# Altium PCB Mainboard.PcbDoc (part 3 of 4)
Units mm, origin at the board's own origin, x right, y up, seen from the top; angles counter-clockwise.
Board outline 90 x 175 mm, 2 copper layers (L1_Top, L14_Bot), stack 1.67 mm thick; 329 components, 192 nets, 950 pads, 1091 vias.
Unrouted connection lines stored in the file: 3.
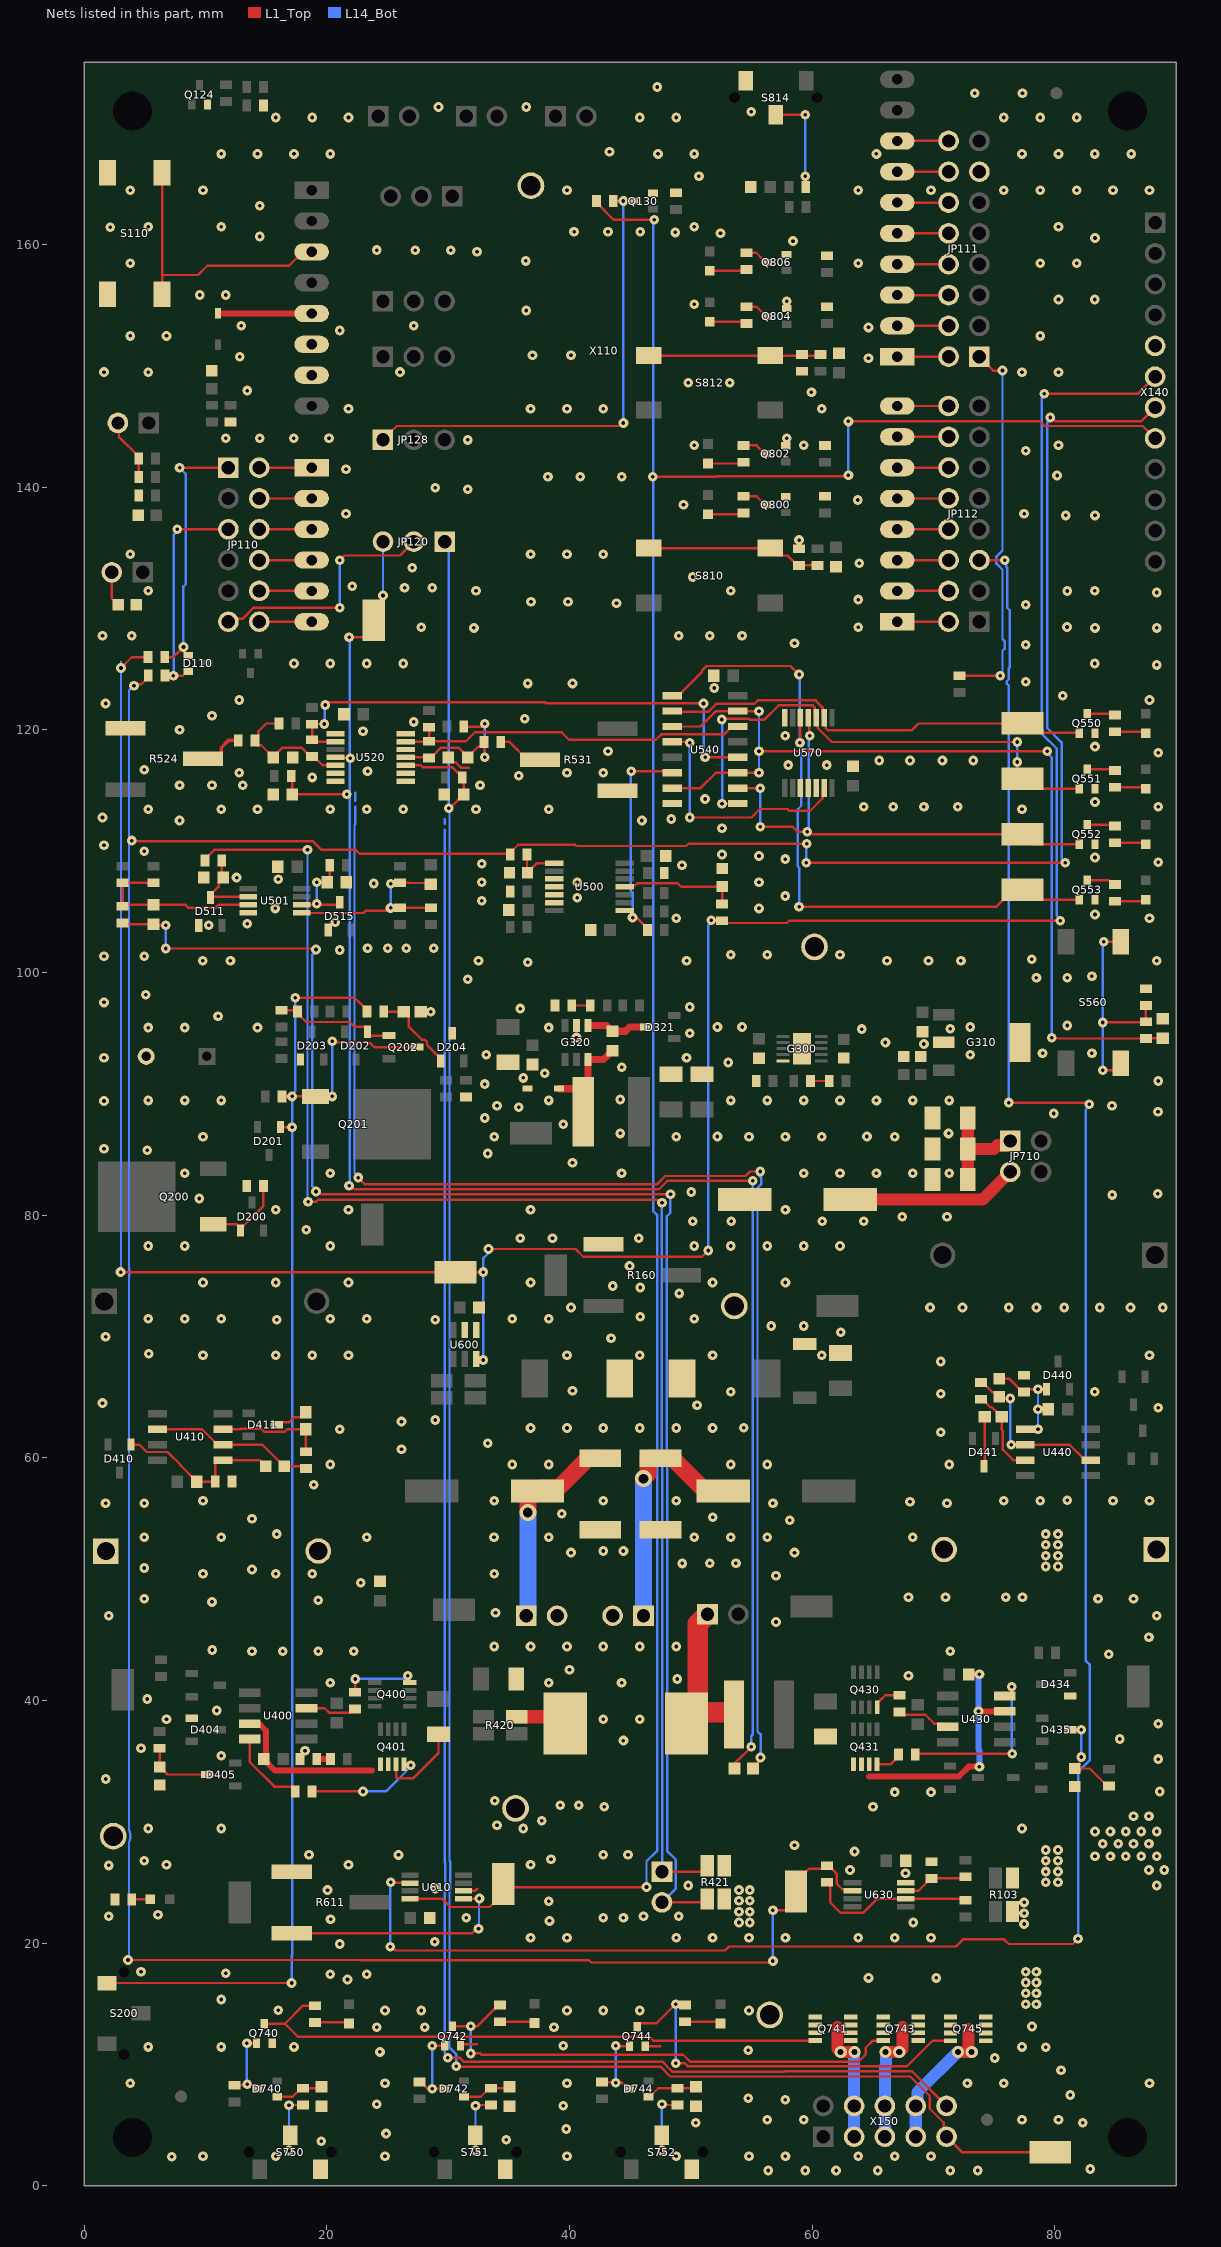
[diagram p3: the nets of this part, all layers, seen from the top]

## Via types
v1: diameter 0.8, hole 0.3, L1_Top to L14_Bot, tented both sides, 1083 vias
v2: diameter 1, hole 0.5, L1_Top to L14_Bot, tented both sides, 6 vias
v3: diameter 1.4, hole 0.8, L1_Top to L14_Bot, tented both sides, 2 vias

## Nets (pads, with @x,y where several pads share a name; then routed paths per layer and width w, separated by ;. In a path a pad name is that pad's centre, name@x,y a point inside that pad or via, vN(x,y) a via of type N, cw(c..) or ccw(c..) an arc to the next point about the centre after c; other vN are vias at no path point) (continued)
Fault_Reset: C562.1 R562.2 U540.3 U540.7 U540.11 U540.15 | length 77.1
  L1_Top w0.2: U540.7@48.481,115.195 50.806,115.195 52.076,116.465 U540.11@53.881,116.465 55.62,116.465 v1(55.626,116.459) ; U540.3@48.481,120.275 50.806,120.275 52.076,121.545 U540.15@53.881,121.545 ; U540.15@53.881,121.539 v1(55.626,121.539) ; v1(55.626,118.237) v1(79.375,118.237) ; v1(79.756,94.615) 79.811,94.56 R562.2@87.503,94.56 87.52,94.577 C562.1@88.9,94.577
  L14_Bot w0.2: v1(55.626,116.459) v1(55.626,118.237) v1(55.626,121.539) ; v1(79.375,118.237) 79.375,118.075 79.756,117.694 v1(79.756,94.615)
Flag_Overcurr: Q550.1 TP540.1 U540.2 U570.2 | length 36.4
  L1_Top w0.2: U540.2@48.481,121.545 48.552,121.474 51.439,121.474 52.11,122.145 55.242,122.145 55.526,122.429 60.289,122.429 60.865,121.853 60.865,121.129 U570.2@60.99,121.004 61.115,120.879 61.115,120.155 61.291,119.979 68.229,119.979 68.773,120.523 TP540.1@77.337,120.523 78.099,119.761 81.983,119.761 Q550.1@82.021,119.723
Flag_Overtemp_Ext: Q553.1 TP543.1 U540.1 U570.5 | length 57.3
  L1_Top w0.2: U540.1@48.481,122.815 48.981,122.815 50.927,124.761 50.927,124.881 51.306,125.26 58.228,125.26 v1(58.928,124.56) ; v1(58.928,105.41) 75.14,105.41 76.537,106.807 TP543.1@77.337,106.807 78.137,106.007 Q553.1@82.021,106.007 ; v1(58.995,118.937) 59.018,118.959 59.018,120.982 U570.5@59.04,121.004
  L14_Bot w0.2: v1(58.928,105.41) 58.928,108.631 58.811,108.747 58.811,113.447 59.111,113.746 59.111,118.659 58.995,118.775 v1(58.995,118.937) 58.995,124.493 v1(58.928,124.56)
Flag_Overtemp_Int: Q552.1 TP542.1 U540.10 U570.4 | length 41.5
  L1_Top w0.2: U540.10@53.881,115.195 53.887,115.189 v1(55.715,115.189) ; v1(55.715,112.014) 58.395,112.014 58.802,111.607 v1(59.602,111.607) 59.765,111.607 59.993,111.379 TP542.1@77.337,111.379 78.137,110.579 Q552.1@82.021,110.579 ; U570.4@59.69,121.004 59.754,120.941 59.754,119.57 v1(59.817,119.507)
  L14_Bot w0.2: v1(55.715,112.014) v1(55.715,115.189) ; v1(59.602,111.607) 59.71,111.714 59.71,119.4 v1(59.817,119.507)
Flag_Overvolt: Q551.1 TP541.1 U540.9 U570.3 | length 43.6
  L1_Top w0.2: v1(52.545,120.845) 52.604,120.904 54.776,120.904 54.841,120.839 56.069,120.839 57.259,122.029 60.039,122.029 60.215,121.853 60.215,121.129 U570.3@60.34,121.004 60.465,120.879 60.465,120.155 61.622,118.998 v1(76.9,118.998) ; v1(52.578,113.919) 52.584,113.925 U540.9@53.881,113.925 ; v1(76.9,117.348) 76.9,116.518 76.835,116.453 TP541.1@77.337,115.951 78.137,115.151 Q551.1@82.021,115.151
  L14_Bot w0.2: v1(52.578,113.919) v1@52.578,120.845 ; v1(76.9,117.348) 76.835,117.413 76.9,117.478 v1(76.9,118.998)
GND: C204.1 C210.2 C213.1 C220.1 C221.1 C300.1 C301.1 C310.1 C311.1 C312.1 C320.1 C321.1 C323.1 C324.1 C405.1 C435.1 C500.2 C501.2 C503.1 C505.1 C506.1 C507.1 C511.1 C515.1 C520.2 C523.1 C526.1 C530.1 C533.1 C540.1 C562.2 C570.2 C600.1 C610.1 C630.1 C700.1 C710.1 C711.1 C712.1 C715.2 C722.1 C723.1 C750.1 C751.1 C752.1 C811.1 C813.1 C814.1 D203.1 D204.3 D211.2 D320.2 D404.1 D434.1 D511.1 D515.1 D730.2 D731.2 G300.5 G300.11 G310.2 G310.4 G320.2 JP111.13 JP212.2 JP701.2 Q124.2 Q130.2 Q550.2 Q551.2 Q552.2 Q553.2 Q740.2 Q742.2 Q744.2 Q800.2 Q802.2 Q804.2 Q806.2 R103.2 R122.1 R130.1 R160.1 R200.1 R207.1 R210.1 R212.1 R221.1 R303.1 R322.1 R403.2 R410.1 R421.2 R440.1 R503.2 R505.1 R524.1 R531.1 R561.1 R611.1 R632.1 R701.1 R722.1 R800.1 R802.1 R804.1 R806.1 R810.1 R812.1 S110.1 S110.2 S750.3 S751.3 S752.3 S814.3 TP100.1 TP101.1 TP102.1 TP103.1 TP104.1 TP105.1 U500.10 U500.11 U500.12 U500.13 U501.4 U520.1 U520.6 U520.7 U520.8 U520.9 U520.12 U520.14 U540.8 U570.7 U570.10 U570.11 U570.12 U600.1 U600.2 U610.6 U630.4 W100.2 W500.2 X101.1 X101.2 X110.6A X110.7A X140.5 | length 7.8
  L1_Top w0.2: C204.1@27.751,96.774 v1(28.575,96.774) ; C530.1@30.023,117.729 30.023,117.704 30.398,117.329 30.624,117.329 31.08,116.873 31.694,116.873 ; Q742.2@31.018,11.557 31.145,11.684 32.385,11.684 ; U610.6@31.283,24.313 32.219,24.313 32.417,24.511 ; Q744.2@46.243,11.519 47.498,11.519
  L14_Bot w0.2: W500.2@22.352,114.164 22.352,114.808 ; W100.2@29.718,112.259 29.718,112.649
  other v1: 56.388,1.27 59.436,1.27 61.976,1.27 65.405,1.27 71.374,1.27 73.66,1.27 82.931,1.397 7.239,2.413 9.8,2.46 15.8,2.46 24.8,2.46 39.8,2.46 48.8,2.46 54.8,2.46 57.8,2.46 63.8,2.46 66.8,2.46 69.8,2.46 19.558,3.683 34.798,3.81 24.892,4.318 39.751,4.699 50.419,5.207 82.296,5.207 56.3,5.46 59.3,5.46 77.3,5.46 80.3,5.46 39.497,6.604 24.13,6.731 57.785,7.112 54.737,7.239 81.28,7.493 3.8,8.46 24.8,8.46 39.8,8.46 72.8,8.46 75.8,8.46 87.8,8.46 80.518,9.525 75.057,10.541 24.384,11.049 54.737,11.176 79.248,11.43 5.3,11.46 11.3,11.46 17.3,11.46 77.3,11.46 39.497,11.557 24.13,13.081 28.067,13.081 38.735,13.081 78.124,13.142 24.8,14.46 27.8,14.46 39.8,14.46 42.8,14.46 45.8,14.46 54.8,14.46 16.002,14.478 11.303,15.367 21.717,17.018 64.643,17.145 70.231,17.145 20.3,17.46 23.3,17.46 11.684,17.526 4.699,17.653 21.082,19.939 28.905,20.117 36.8,20.46 39.8,20.46 48.8,20.46 51.8,20.46 54.8,20.46 57.8,20.46 63.8,20.46 66.8,20.46 69.8,20.46 77.47,21.59 53.975,21.717 54.864,21.717 68.326,21.717 38.354,21.844 20.32,21.971 31.496,22.098 42.799,22.098 44.45,22.098 2.032,22.225 46.101,22.225 49.022,22.225 6.096,22.352 77.47,22.479 53.975,22.606 54.864,22.606 77.47,23.368 38.3,23.46 53.975,23.495 54.864,23.495 20.066,24.384 53.975,24.384 54.864,24.384 28.956,24.511 49.784,24.765 88.392,24.765 67.691,25.781 63.119,26.035 87.757,26.035 89.027,26.035 2.032,26.416 6.8,26.46 21.8,26.46 36.8,26.46 4.953,26.797 38.481,26.924 83.312,27.178 84.582,27.178 85.852,27.178 87.122,27.178 88.392,27.178 25.912,27.282 18.542,27.305 42.799,27.305 44.831,27.305 63.5,27.559 58.547,28.067 83.947,28.194 85.217,28.194 86.487,28.194 87.757,28.194 83.312,29.21 84.582,29.21 85.852,29.21 87.122,29.21 88.392,29.21 5.3,29.46 11.3,29.46 36.195,29.464 77.3,29.46 34.036,29.718 37.719,30.099 86.487,30.48 87.757,30.48 42.867,31.245 65.024,31.242 39.243,31.369 40.767,31.369 33.847,31.75 66.8,32.46 69.8,32.46 88.646,32.512 1.788,33.543 88.519,35.179 11.3,35.46 18.212,35.87 4.699,36.068 44.45,36.703 85.344,36.83 88.519,38.1 6.8,38.46 42.8,38.46 45.8,38.46 10.946,39.182 5.207,40.132 20.3,41.46 38.3,41.46 44.3,41.46 48.895,41.783 67.945,42.037 40.005,42.545 84.455,43.815 13.843,44.069 16.383,44.069 19.304,44.069 22.225,44.069 71.374,44.069 10.563,44.166 33.8,44.46 36.8,44.46 39.8,44.46 42.8,44.46 45.8,44.46 48.8,44.46 87.757,45.212 57.023,46.482 2.032,46.99 88.392,46.99 33.909,47.244 10.541,48.133 19.304,48.26 4.953,48.387 83.566,48.387 86.487,48.387 67.945,48.514 70.993,48.514 75.946,48.514 77.343,48.514 22.796,49.716 57.023,50.292 9.8,50.46 15.8,50.46 18.8,50.46 33.8,50.46 13.843,50.8 4.953,50.927 49.307,51.305 51.562,51.308 53.721,51.308 40.132,52.197 58.547,52.197 42.799,52.324 44.45,52.324 4.953,53.467 11.3,53.46 23.3,53.46 33.782,53.467 38.3,53.46 50.3,53.46 53.3,53.46 56.3,53.46 68.3,53.46 15.875,53.721 58.166,54.864 13.843,54.991 51.816,55.118 39.359,55.401 1.778,56.261 4.953,56.261 56.769,56.261 71.12,56.261 68.072,56.388 9.8,56.46 33.8,56.46 42.8,56.46 48.8,56.46 75.8,56.46 78.8,56.46 84.8,56.46 87.8,56.46 81.026,56.515 18.923,57.785 20.3,59.46 35.3,59.46 38.3,59.46 53.3,59.46 56.3,59.46 71.3,59.46 26.162,60.706 33.274,61.214 70.612,62.103 21.082,62.357 36.8,62.46 39.8,62.46 42.8,62.46 45.8,62.46 48.8,62.46 51.8,62.46 54.356,62.484 26.162,62.992 28.956,63.119 88.519,64.135 50.521,64.342 1.524,64.516 70.612,65.278 53.3,65.46 83.3,65.46 40.259,65.532 70.612,67.945 9.8,68.46 15.8,68.46 18.8,68.46 21.8,68.46 39.8,68.46 45.8,68.46 51.8,68.46 60.8,68.46 87.8,68.46 5.334,68.58 43.434,69.85 1.778,69.977 62.357,70.358 56.642,70.866 59.309,70.866 15.875,71.374 28.956,71.374 5.3,71.46 8.3,71.46 11.3,71.46 20.3,71.46 23.3,71.46 35.3,71.46 38.3,71.46 50.3,71.46 45.847,71.628 40.132,72.39 69.723,72.39 72.39,72.39 76.2,72.39 78.486,72.39 80.772,72.39 83.693,72.39 86.233,72.39 88.9,72.39 49.054,73.555 45.847,74.041 43.561,74.168 9.8,74.46 15.8,74.46 21.8,74.46 36.8,74.46 51.8,74.46 57.8,74.46 44.958,75.819 5.3,77.46 8.3,77.46 20.3,77.46 50.3,77.46 53.3,77.46 56.3,77.46 59.3,77.46 62.3,77.46 35.941,78.105 38.608,78.105 45.72,78.105 18.315,78.809 50.165,79.502 53.34,79.502 60.833,79.502 64.262,79.502 67.437,79.883 71.12,79.883 15.8,80.46 21.8,80.46 36.8,80.46 57.8,80.46 9.505,81.373 84.727,81.672 88.474,81.767 50.038,81.915 8.3,83.46 20.3,83.46 44.3,83.46 59.3,83.46 62.3,83.46 65.3,83.46 68.3,83.46 71.3,83.46 40.259,84.328 33.274,85.09 5.207,85.344 1.651,85.471 9.8,86.46 33.8,86.46 48.8,86.46 54.8,86.46 57.8,86.46 60.8,86.46 66.8,86.46 52.197,86.487 64.516,86.487 44.196,86.741 71.247,86.741 39.497,87.503 33.02,88.011 79.909,88.379 88.506,88.537 35.814,88.9 34.036,89.027 84.709,89.027 1.651,89.408 5.3,89.46 8.3,89.46 11.3,89.46 38.3,89.46 53.3,89.46 56.3,89.46 59.3,89.46 62.3,89.46 65.3,89.46 68.3,89.46 71.3,89.46 44.196,89.535 33.02,90.805 88.519,91.059 36.195,91.313 37.973,91.694 44.323,92.202 53.086,92.583 1.651,92.964 49.657,92.964 33.147,93.218 73.025,93.218 78.994,93.345 83.058,93.345 69.215,94.107 66.04,94.234 40.579,94.637 49.911,94.996 64.102,95.339 71.374,95.377 5.3,95.46 8.3,95.46 14.3,95.46 38.3,95.46 52.197,95.504 54.229,95.504 73.025,95.504 81.026,95.631 11.049,96.393 35.941,97.028 49.911,97.155 1.651,97.536 5.08,98.171 31.623,99.441 78.486,99.568 81.026,99.568 83.058,99.695 36.576,100.838 9.779,100.965 12.065,100.965 32.512,100.965 49.657,100.965 66.167,100.965 69.596,100.965 72.263,100.965 88.392,100.965 78.105,101.092 1.651,101.346 4.953,101.346 53.3,101.46 56.3,101.46 62.3,101.46 21.082,101.854 23.368,102.007 25.019,102.007 26.543,102.007 28.829,102.007 10.287,103.886 13.462,104.013 20.701,104.14 48.8,104.46 87.8,104.46 83.312,104.775 15.748,105.283 55.626,105.283 32.766,105.918 40.64,106.172 57.785,106.299 23.876,107.34 32.766,107.442 40.64,107.442 55.626,107.442 16.002,107.696 12.573,107.823 49.276,108.839 32.766,108.966 88.519,109.093 57.785,109.347 83.312,109.474 55.626,109.601 52.578,109.728 4.953,109.982 1.651,110.49 52.578,111.887 7.874,112.522 45.974,112.522 48.387,112.649 1.524,112.776 5.3,113.46 11.3,113.46 14.3,113.46 20.3,113.46 23.3,113.46 26.3,113.46 32.3,113.46 38.3,113.46 77.3,113.46 64.262,113.665 66.675,113.665 69.215,113.665 72.009,113.665 88.519,113.665 83.312,114.046 51.181,114.3 7.874,115.443 10.541,115.443 13.081,115.443 32.639,115.443 18.796,116.078 35.814,116.205 12.8,116.46 39.8,116.46 42.8,116.46 23.368,116.586 4.953,116.713 58.039,117.094 61.214,117.094 65.532,117.475 68.072,117.475 70.739,117.475 73.279,117.475 88.519,118.11 43.18,118.237 83.312,118.618 57.785,119.507 22.987,119.888 7.874,120.015 27.178,120.65 36.322,120.904 10.541,121.158 1.778,122.174 12.8,122.46 87.8,122.46 80.645,122.809 51.943,123.444 36.576,123.825 40.259,123.825 77.597,123.952 88.392,125.349 17.3,125.46 20.3,125.46 23.3,125.46 26.3,125.46 83.3,125.46 77.597,127 58.547,127.127 1.524,127.762 3.937,127.762 49.022,127.762 51.562,127.762 54.229,127.762 32.131,128.397 83.312,128.397 88.392,128.397 27.8,128.46 63.8,128.46 81.004,128.471 77.597,130.302 43.878,130.434 36.83,130.556 39.878,130.556 63.808,130.731 88.392,131.318 81.026,131.445 5.3,131.46 32.3,131.46 53.3,131.46 83.3,131.46 26.416,131.699 28.702,131.699 22.098,131.826 50.165,132.588 27.051,133.35 63.881,133.731 3.8,134.46 36.8,134.46 39.8,134.46 42.8,134.46 58.928,135.636 80.899,137.668 83.312,137.668 21.59,137.795 77.47,137.795 49.403,138.557 63.754,138.938 31.623,139.827 28.956,139.954 38.227,140.843 40.894,140.843 44.323,140.843 80.189,140.958 21.59,141.478 77.597,143.002 50.3,143.46 59.3,143.46 80.3,143.46 31.623,143.891 11.684,144.018 14.478,144.018 17.272,144.018 20.193,144.018 57.912,144.018 21.8,146.46 36.8,146.46 39.8,146.46 42.8,146.46 60.8,146.46 59.944,147.828 13.462,147.955 49.784,148.59 53.213,148.59 5.3,149.46 77.3,149.46 80.3,149.46 1.651,149.479 26.035,149.479 64.643,150.622 12.827,150.749 36.957,150.876 40.132,150.876 3.8,152.46 6.8,152.46 78.8,152.46 21.082,152.908 64.643,153.162 12.954,153.289 27.178,153.289 36.449,154.559 50.292,155.067 57.912,155.321 80.3,155.46 83.3,155.46 9.525,155.829 11.684,155.829 3.8,158.46 63.8,158.46 78.8,158.46 81.8,158.46 36.398,158.642 32.385,159.385 27.305,159.512 30.226,159.512 24.129,159.533 58.42,160.274 83.312,160.528 14.478,160.655 52.451,160.909 48.711,160.99 40.386,161.036 43.18,161.036 45.847,161.036 2.159,161.417 5.3,161.46 11.3,161.46 50.3,161.46 80.3,161.46 14.478,163.195 3.8,164.46 9.8,164.46 39.8,164.46 63.8,164.46 69.8,164.46 75.8,164.46 78.8,164.46 81.8,164.46 84.8,164.46 87.8,164.46 50.673,165.608 11.3,167.46 14.3,167.46 17.3,167.46 20.3,167.46 47.3,167.46 50.3,167.46 65.3,167.46 77.3,167.46 80.3,167.46 83.3,167.46 86.3,167.46 43.307,167.64 15.8,170.46 18.8,170.46 21.8,170.46 45.8,170.46 48.8,170.46 75.8,170.46 78.8,170.46 81.8,170.46 54.991,170.942 29.21,171.323 36.449,171.323 73.406,172.466 77.343,172.466 47.244,172.974
H-Bridge_neg: C400.1 C404.1 C430.1 C434.1 Q401.1 Q401.2 Q401.3 Q431.1 Q431.2 Q431.3 R421.1 U400.3 U430.3 | length 40.3
  L1_Top w0.2: Q401.3@25.719,34.745 25.719,33.707 25.836,33.59 27.113,33.59 29.21,35.687 C404.1@29.21,37.232
  L1_Top w0.5: U400.3@13.766,37.99 14.522,37.99 14.996,37.516 14.996,35.36 C400.1@14.815,35.179 14.815,35.154 15.74,34.229 23.749,34.229 ; 64.68,33.745 72.099,33.745 72.909,34.555 v1(73.787,34.555) ; C430.1@72.898,42.164 v1(73.787,42.164) ; v1(73.712,39.116) U430.3@75.873,39.116
  L14_Bot w0.5: v1(73.787,34.555) 73.787,35.88 73.712,35.955 73.712,42.008 73.787,42.083 v1(73.787,42.164)
In_555_Boost: C442.2 R441.2 U440.2 U440.6 | length 13.9
  L1_Top w0.2: R441.2@73.908,66.222 74.043,66.222 74.854,65.411 75.057,65.411 C442.2@75.432,65.036 75.571,64.897 v1(76.327,64.897) ; v1(76.412,61.087) U440.2@77.558,61.087 81.213,61.087 82.483,59.817 U440.6@82.958,59.817
  L14_Bot w0.2: v1(76.327,64.897) 76.327,61.097 76.317,61.087 v1(76.412,61.087)
In_555_Buck: C412.2 R411.2 U410.2 U410.6 | length 13.6
  L1_Top w0.2: U410.6@6.063,62.357 9.718,62.357 10.988,61.087 U410.2@11.463,61.087 14.708,61.087 C412.2@16.486,59.309 18.106,59.309 R411.2@18.288,59.127
In_Curr_ADC: D110.1 JP110.1 R110.1 | length 21.9
  L1_Top w0.2: R110.1@6.659,125.984 7.319,125.984 7.597,126.262 7.627,126.262 v1(8.193,126.828) 8.298,126.723 8.298,126.326 8.498,126.126 D110.1@8.598,126.126 ; v1(7.874,141.605) JP110.1@11.898,141.605
  L14_Bot w0.2: v1(7.874,141.605) 8.385,141.094 8.385,131.999 8.193,131.807 v1(8.193,126.828)
In_Curr_Filtr: C506.2 R506.1 U500.4 | length 9.7
  L1_Top w0.2: U500.4@44.556,107.061 44.681,107.186 45.323,107.186 45.43,107.186 45.592,107.348 48.929,107.348 49.216,107.061 52.566,107.061 C506.2@52.578,107.073 R506.1@52.578,105.647
Inductor_Curr_ADC: JP128.1 Q130.3 R131.1 | length 40.4
  L1_Top w0.2: JP128.1@24.632,143.891 25.775,145.034 27.045,145.034 cw(c27.172,143.891) 27.299,145.034 29.585,145.034 cw(c29.712,143.891) 29.839,145.034 44.196,145.034 v1(44.45,145.288) ; R131.1@43.616,163.576 v1(44.45,163.576) Q130.3@45.295,163.576
  L14_Bot w0.2: v1(44.45,145.288) v1(44.45,163.576)
Inductor_Current: R131.2 TP610.1 U610.4 X140.8 | length 210.4
  L1_Top w0.2: U610.4@26.883,23.663 29.533,23.663 30.209,22.987 33.439,22.987 35.09,24.638 35.094,24.634 v1(46.351,24.634) ; R131.2@42.236,163.576 42.236,163.441 43.651,162.026 v1(46.99,162.026) ; v1(46.863,140.843) 52.136,140.843 52.2,140.907 62.929,140.907 v1(62.992,140.97) ; v1(62.992,145.415) 78.759,145.415 79.14,145.034 87.249,145.034 X140.8@88.265,144.018
  L14_Bot w0.2: v1(46.351,24.634) 46.351,26.758 47.251,27.658 47.251,56.508 47.244,56.515 47.244,59.597 47.225,59.616 47.225,80.029 46.925,80.329 46.925,161.987 46.99,162.052 v1(46.99,162.026) ; v1(62.992,140.97) v1(62.992,145.415)
Inductor_Overcurr: JP112.5 U610.2 | length 187.7
  L1_Top w0.2: v1(25.235,19.723) 25.352,19.723 25.669,19.406 52.817,19.406 53.145,19.734 71.843,19.734 72.429,20.32 75.819,20.32 76.2,19.939 81.484,19.939 v1(81.915,20.37) ; v1(25.273,25.019) 25.301,24.991 26.855,24.991 U610.2@26.883,24.963 ; JP112.5@73.787,133.985 v1(75.884,133.985) ; v1(76.2,89.281) 82.687,89.281 82.814,89.154 v1(82.842,89.154)
  L14_Bot w0.2: v1(25.235,19.723) 25.235,24.981 v1(25.273,25.019) ; v1(75.884,133.985) 75.999,133.87 75.999,133.446 76.092,133.353 76.092,130.045 76.284,129.853 76.284,125.16 76.203,125.079 76.203,124.17 76.029,123.996 76.029,123.83 76.2,123.659 v1(76.2,89.281) ; v1(81.915,20.37) 81.915,34.108 82.869,35.062 82.869,42.988 82.542,43.315 82.542,88.692 82.842,88.992 v1(82.842,89.154)
Input_Current: R110.2 R506.2 TP600.1 U600.6 X140.6 | length 221.4
  L1_Top w0.2: v1(3.014,75.311) TP600.1@30.607,75.311 v1(32.893,75.311) ; v1(3.048,125.095) 3.937,125.984 R110.2@5.279,125.984 ; U600.6@32.319,68.142 32.389,68.072 v1(32.893,68.072) ; v1(33.333,77.215) 40.512,77.215 41.146,76.581 50.927,76.581 v1(51.435,77.089) ; v1(51.689,104.305) 52.54,104.305 52.767,104.078 57.905,104.078 58.094,104.267 v1(80.456,104.267) ; v1(79.121,147.701) 86.868,147.701 X140.6@88.265,149.098
  L14_Bot w0.2: v1(3.014,75.311) 3.048,75.345 3.048,125.603 ; v1(32.893,68.072) 32.893,76.419 33.274,76.8 33.274,77.156 v1(33.333,77.215) ; v1(51.435,77.089) 51.435,103.889 51.689,104.143 v1(51.689,104.305) ; v1(79.121,147.701) 79.121,147.539 78.929,147.347 78.929,120.022 78.994,119.957 78.994,119.608 80.156,118.446 80.156,104.684 80.456,104.384 v1(80.456,104.267)
INV_TLV198: R633.2 R634.1 U630.2 | length 13.8
  L1_Top w0.2: R634.1@61.214,25.019 61.221,25.019 61.481,24.759 61.481,23.385 62.363,22.503 64.207,22.503 65.382,23.678 U630.2@67.732,23.678 72.516,23.678 R633.2@72.644,23.55
Load1: Q741.5 Q741.6 Q741.7 Q741.8 X150.3 X150.4 | length 11.3
  L1_Top w1: 62.103,13.081 62.103,11.303 v2(62.357,11.049) v2(63.5,11.049)
  L14_Bot w1: v2(62.357,11.049) v2@63.46,11.049 ; X150.3@63.46,4.056 X150.4@63.46,6.596 63.46,9.906 v2@63.46,11.009
Load2: Q743.5 Q743.6 Q743.7 Q743.8 X150.5 X150.6 | length 11.4
  L1_Top w1: v2(66.04,11.049) v2(67.183,11.049) 67.437,11.303 67.437,13.081
  L14_Bot w1: X150.5@66,4.056 X150.6@66,6.596 66,9.826 66.08,9.906 v2@66.08,11.009 ; v2@66.08,11.049 v2(67.183,11.049)
Load3: Q745.5 Q745.6 Q745.7 Q745.8 X150.7 X150.8 | length 12.7
  L1_Top w1: v2(72.009,11.049) v2(73.152,11.049) 72.898,11.303 72.898,12.922
  L14_Bot w1: X150.7@68.54,4.056 X150.8@68.54,6.596 68.674,6.73 68.674,7.714 v2(72.009,11.049) ; v2@72.049,11.049 v2(73.152,11.049)
MAX40056_Ref: R611.3 U610.5 | length 19.4
  L1_Top w0.2: R611.3@17.12,20.828 31.969,20.828 32.35,21.209 v1(32.512,21.209) ; U610.5@31.283,23.663 31.295,23.675 32.571,23.675 v1(32.583,23.687)
  L14_Bot w0.2: v1(32.512,21.209) 32.547,21.244 32.547,23.652 v1(32.583,23.687)
Neg_555_Boost: C440.1 C442.1 D440.1 R440.2 U440.1 | length 9.8
  L1_Top w0.2: C442.1@75.432,66.536 76.221,66.536 77.423,65.334 R440.2@77.558,65.334 ; R440.2@77.47,65.422 77.7,65.652 D440.1@79.314,65.652 ; U440.1@77.558,62.357 v1(78.613,62.357) ; v1(78.613,64.008) C440.1@79.458,64.008
  L14_Bot w0.2: v1(78.613,62.357) v1(78.613,64.008) v1(78.613,65.659)
Neg_555_Buck: C410.1 C412.1 D410.1 R410.2 U410.1 | length 14.3
  L1_Top w0.2: D410.1@3.871,61.094 4.557,61.094 5.164,60.487 6.892,60.487 7.929,59.45 7.929,59.406 9.271,58.064 C410.1@9.271,58.039 R410.2@10.812,58.039 10.812,59.617 11.012,59.817 U410.1@11.463,59.817 14.478,59.817 C412.1@14.986,59.309